# Altium PCB PilotPi_Power.PcbDoc
Units mm, origin at the board's own origin, x right, y up, seen from the top; angles counter-clockwise.
Board outline 80.64 x 56.26 mm, 2 copper layers (Top Layer, Bottom Layer); 44 components, 42 nets, 191 pads, 17 vias.
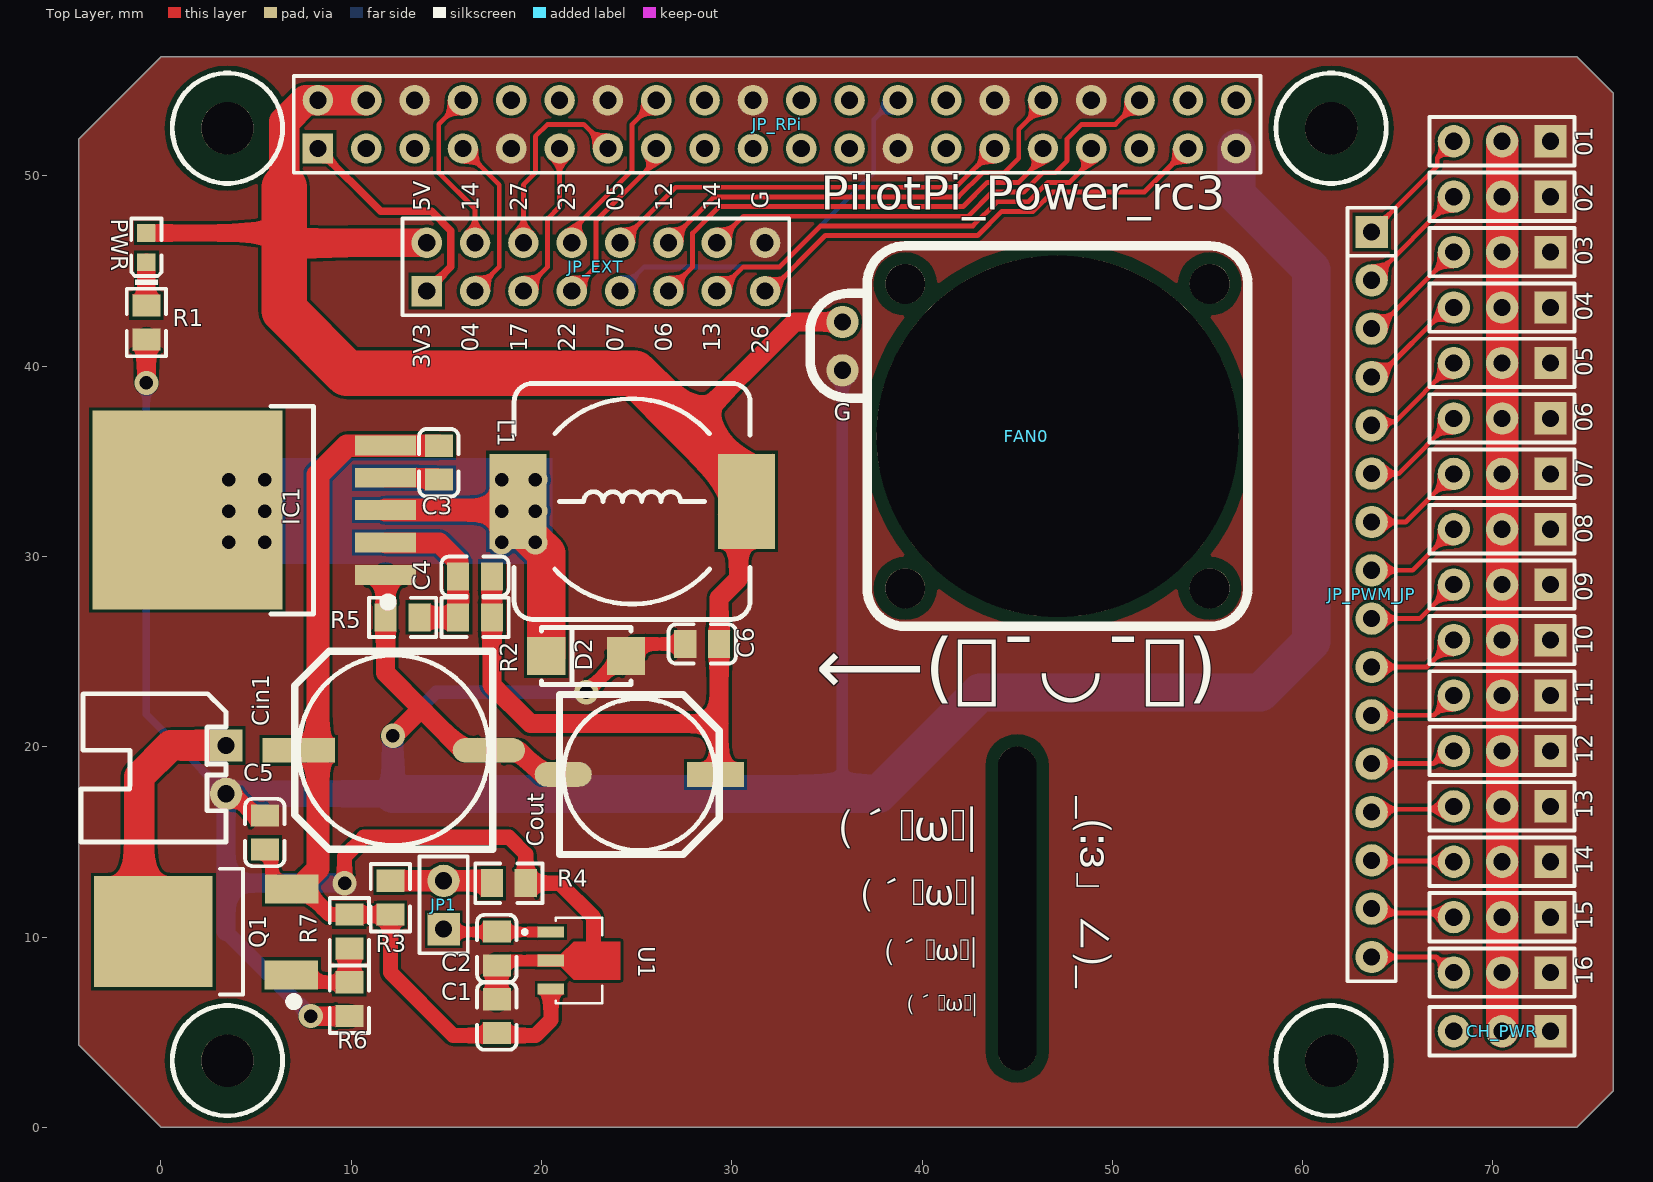
[diagram p0: Top Layer view]
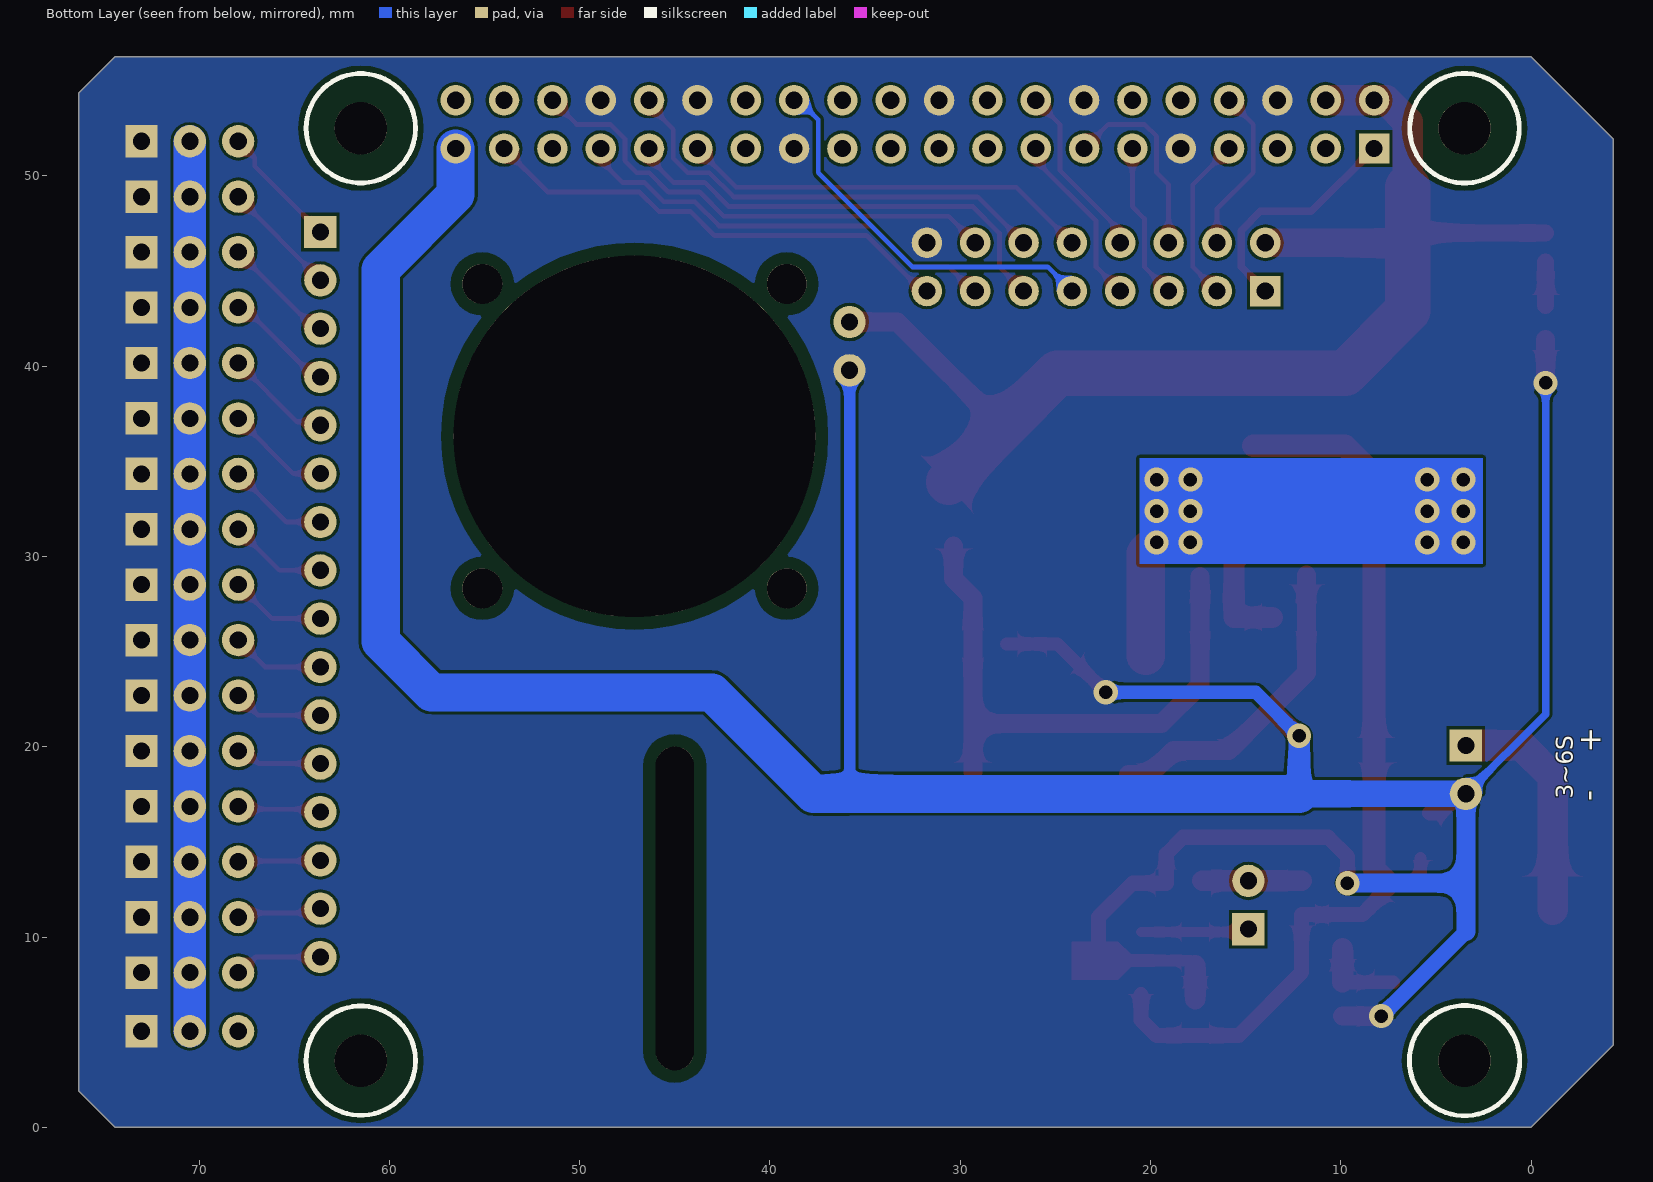
[diagram p1: Bottom Layer view, seen from below]

## Layer stack, top to bottom
Top Solder: solder mask 0.0102, Solder Resist, Dk 3.5
Top Layer: signal copper 0.0356
Dielectric 1: dielectric 0.32, FR-4, Dk 4.8
Bottom Layer: signal copper 0.0356
Bottom Solder: solder mask 0.0102, Solder Resist, Dk 3.5

## Board outline
0,0 74.422,0 76.327,1.905 76.327,54.356 74.422,56.261 0,56.261 -4.318,51.943 -4.318,4.318

## Design rules (kind name [scope] priority, off if disabled: settings)
Clearance [All] p1: gap=0.152 ignorepadtopadclearanceinfootprint=FALSE except(0: Arc-Hole Track-Hole SMDPad-Hole THPad-Hole Via-Hole Fill-Hole Poly-Hole Region-Hole Text-Hole)
DiffPairsRouting [All] p1: maxlimit=0.254 minlimit=0.152 mostfreqgap=0.254 toplayer_minwidth=0.152 toplayer_maxwidth=20 toplayer_prefwidth=0.381 bottomlayer_minwidth=0.152 bottomlayer_maxwidth=20 bottomlayer_prefwidth=0.381 maxuncoupledlength=12.7
HoleSize [All] p1: absolutevalues=TRUE maxlimit=300 minlimit=0.152 maxpercent=80.000 minpercent=20.000
MinimumSolderMaskSliver [All] p1: minsoldermaskwidth=0.152
PlaneConnect [All] p1: planeconnectstyle=Direct reliefexpansion=0.508 reliefentries=4 reliefconductorwidth=0.254 reliefairgap=0.254
PolygonConnect [All] p1: connectstyle=Direct reliefconductorwidth=0.254 reliefentries=4 polygonreliefangle="90 Angle" airgapwidth=0.254
RoutingTopology [All] p1: topology=Daisy_Simple
RoutingVias [All] p1: holewidth=0.711 width=1.27 viastyle="Through Hole" minholewidth=0.3 minwidth=0.6 maxholewidth=150 maxwidth=300
SilkToSilkClearance [All] p1: silktosilkclearance=0
SilkToSolderMaskClearance [IsPad] p1: minsilkscreentomaskgap=0 clearancetoexposedcopper=TRUE
SolderMaskExpansion [All] p1: expansion=0.102
UnRoutedNet [All] p1: checkbadconnections=TRUE
Width [All] p1: maxlimit=20 minlimit=0.152 preferedwidth=0.254
22 further rules are at their usual default settings.

## Classes and differential pairs
net class PWM[15..0]: PWM0 PWM1 PWM2 PWM3 PWM4 PWM5 PWM6 PWM7 PWM8 PWM9 PWM10 PWM11 PWM12 PWM13 PWM14 PWM15
component class XL4015: C3 C4 C5 C6 Cin1 Cout D2 IC1 L1 R2 R5
component class Voltage_Divider: R3 R4
component class AirPi2_Power: CH_PWR JP1 JP_EXT JP_PWM_JP JP_RPi Q1 R1 R6 R7
component class 78l06: C1 C2 U1

## Components (designator, comment, footprint, x,y, rotation, side; value= is the part's Value field where it differs from the comment)
01 "HDR-1X3" HDR2.54-LI-3P 70.485,51.816 r180 top (schematic designator CH1)
02 "HDR-1X3" HDR2.54-LI-3P 70.485,48.903 r180 top (schematic designator CH2)
03 "HDR-1X3" HDR2.54-LI-3P 70.485,45.991 r180 top (schematic designator CH3)
04 "HDR-1X3" HDR2.54-LI-3P 70.485,43.078 r180 top (schematic designator CH4)
05 "HDR-1X3" HDR2.54-LI-3P 70.485,40.166 r180 top (schematic designator CH5)
06 "HDR-1X3" HDR2.54-LI-3P 70.485,37.253 r180 top (schematic designator CH6)
07 "HDR-1X3" HDR2.54-LI-3P 70.485,34.341 r180 top (schematic designator CH7)
08 "HDR-1X3" HDR2.54-LI-3P 70.485,31.428 r180 top (schematic designator CH8)
09 "HDR-1X3" HDR2.54-LI-3P 70.485,28.516 r180 top (schematic designator CH9)
10 "HDR-1X3" HDR2.54-LI-3P 70.485,25.603 r180 top (schematic designator CH10)
11 "HDR-1X3" HDR2.54-LI-3P 70.485,22.691 r180 top (schematic designator CH11)
12 "HDR-1X3" HDR2.54-LI-3P 70.485,19.778 r180 top (schematic designator CH12)
13 "HDR-1X3" HDR2.54-LI-3P 70.485,16.866 r180 top (schematic designator CH13)
14 "HDR-1X3" HDR2.54-LI-3P 70.485,13.953 r180 top (schematic designator CH14)
15 "HDR-1X3" HDR2.54-LI-3P 70.485,11.041 r180 top (schematic designator CH15)
16 "HDR-1X3" HDR2.54-LI-3P 70.485,8.128 r180 top (schematic designator CH16)
C1 "330nF (334) 10% 50V" 0805_C 17.653,5.841 r270 top locked
C2 "100nF(104) 10% 50V" 0805_C 17.653,9.398 r90 top locked
C3 "1uF (105) 10% 50V" 0805_C 14.605,34.925 r90 top locked
C4 "33nF (333) 10% 50V" 0805_C 16.509,28.956 r0 top locked
C5 "1uF (105) 10% 50V" 0805_C 5.461,15.493 r270 top locked
C6 "1uF (105) 10% 50V" 0805_C 28.448,25.4 r0 top
CH_PWR "HDR-1X3" HDR2.54-LI-3P 70.485,5.046 r180 top
Cin1 "220uF/50V" "CM F(10*10.2)" 12.239,19.812 r180 top locked
Cout "470uF/16V" "CM E(8*10.2)" 25.146,18.542 r0 top locked
D1 "红灯 0603" 0603_LED_S1 -0.762,46.228 r90 top
D2 "SS54" SMA(DO-214AC)_S1 22.352,24.765 r0 top
FAN0 "20mm_5V_风扇" 20mmFAN 39.118,28.321 r0 top locked
IC1 "XL4015" TO263-5A 11.811,32.434 r90 top locked
JP1 "HDR-1X2" HDR2.54-M-LI-2P 14.859,11.684 r90 top locked
JP_BATT "HDR-1X2" XH2.54-WI-2P 3.429,18.796 r270 top locked
JP_EXT "Header 8X2" HDR2.54-LI-2x8P 22.86,45.212 r0 top
JP_PWM_JP "HDR-1X16" HDR2.54-M-LI-16P 63.627,28 r270 top locked
JP_RPi "Header 2X11" HDR2.54-LI-2x20P 32.385,52.705 r0 top locked
L1 "47uH" CDRH127 24.765,32.893 r0 top locked
Q1 "D15P05" TO252 3.81,10.287 r90 top locked
R1 "1KΩ (1001) ±1%" 0805_R -0.762,42.292 r90 top
R2 "10KΩ (1002) ±1%" 0805_R 16.51,26.797 r0 top locked
R3 "4.7KΩ (4701) ±1%" 0805_R 12.065,12.065 r270 top locked
R4 "1KΩ (1001) ±1%" 0805_R 18.287,12.827 r180 top locked
R5 "3.3KΩ (3301) ±1%" 0805_R 12.701,26.797 r0 top locked
R6 "20KΩ (2002) ±1%" 0805_R 9.906,6.731 r270 top locked
R7 "10KΩ (1002) ±1%" 0805_R 9.906,10.287 r90 top locked
U1 "L78L06ACUTR" VREG_L78L12ABUTR 21.971,8.763 r0 top locked (schematic designator U)

## Footprints (in the part's own frame and the unit in brackets; to place one, negate y for a bottom-side part, rotate by r counter-clockwise, add the part's x,y. Pads: shape width x height; smd on the part's side, far side on the other; paste and mask are expansions set on the pad)
20mmFAN [mm] "20mm_5V_风扇"
  round 1.7 hole 0.9: 6(-3.3,11.46) 7(-3.3,14)
  round 2.1 hole 2.1: 8(0,0) 9(0,16) 10(16,16) 11(16,0)
  round 19 hole 19: 12(8,8)
  silkscreen extent -5,-2 18,18
0603_LED_S1 [mm]
  rect 0.93x0.98 smd: A(0.77,0) K(-0.77,0)
  silkscreen extent -1.98,-0.79 1.54,0.79, body extent -0.8,-0.4 0.8,0.4, height 0.6
0805_C [mm]
  rect 1.16x1.47 smd: 1(-0.89,0) 2(0.89,0)
  silkscreen extent -1.77,-1.04 1.77,1.04, body extent -1,-0.62 1,0.63, height 0.77
0805_R [mm]
  rect 1.16x1.47 smd: 1(-0.89,0) 2(0.89,0)
  silkscreen extent -1.77,-1.04 1.77,1.03, body extent -1,-0.62 1,0.63, height 0.49
CDRH127 [mm] "12*12*8mm（长宽高）"
  rect 3x5 smd: 1(-6,0) 2(6,0)
  silkscreen extent -6.2,-6.2 6.2,6.2, body extent -6,-6 6,6, height 7.8
"CM E(8*10.2)" [mm] "贴片电解电容，直径8mm，高10.2mm"
  rect 3x1.3 smd: 1(4,0)
  oval 3x1.3 smd: 2(-4,0)
  silkscreen extent -4.2,-4.2 4.2,4.2, body extent -4.5,-4.15 4.5,4.15, height 10.2
"CM F(10*10.2)" [mm] "贴片电解电容，直径10mm，高10.2mm"
  rect 3.8x1.3 smd: 1(5,0)
  oval 3.8x1.3 smd: 2(-5,0)
  silkscreen extent -5.2,-5.2 5.2,5.2, body extent -5.8,-5.15 5.8,5.15, height 10.2
HDR2.54-LI-2x8P [mm] "双排排针，8x2脚"
  rect 1.6x1.6 hole 0.9: 1(-8.89,-1.27)
  round 1.6 hole 0.9: 2(-8.89,1.27) 3(-6.35,-1.27) 4(-6.35,1.27) 5(-3.81,-1.27) 6(-3.81,1.27) 7(-1.27,-1.27) 8(-1.27,1.27) 9(1.27,-1.27) 10(1.27,1.27) 11(3.81,-1.27) 12(3.81,1.27) 13(6.35,-1.27) 14(6.35,1.27) 15(8.89,-1.27) 16(8.89,1.27)
  silkscreen extent -10.16,-2.54 10.16,2.54, body extent -10.16,-2.54 10.16,2.54, height 8.5
HDR2.54-LI-2x20P [mm] "双排排针，20x2脚"
  rect 1.6x1.6 hole 0.9: 1(-24.13,-1.27)
  round 1.6 hole 0.9: 2(-24.13,1.27) 3(-21.59,-1.27) 4(-21.59,1.27) 5(-19.05,-1.27) 6(-19.05,1.27) 7(-16.51,-1.27) 8(-16.51,1.27) 9(-13.97,-1.27) 10(-13.97,1.27) 11(-11.43,-1.27) 12(-11.43,1.27) 13(-8.89,-1.27) 14(-8.89,1.27) 15(-6.35,-1.27) 16(-6.35,1.27) 17(-3.81,-1.27) 18(-3.81,1.27) 19(-1.27,-1.27) 20(-1.27,1.27) 21(1.27,-1.27) 22(1.27,1.27) 23(3.81,-1.27) 24(3.81,1.27) 25(6.35,-1.27) 26(6.35,1.27) 27(8.89,-1.27) 28(8.89,1.27) 29(11.43,-1.27) 30(11.43,1.27) 31(13.97,-1.27) 32(13.97,1.27) 33(16.51,-1.27) 34(16.51,1.27) 35(19.05,-1.27) 36(19.05,1.27) 37(21.59,-1.27) 38(21.59,1.27) 39(24.13,-1.27) 40(24.13,1.27)
  silkscreen extent -25.4,-2.54 25.4,2.54, body extent -25.4,-2.54 25.4,2.54, height 8.5
HDR2.54-LI-3P [mm] "排针，3脚"
  rect 1.7x1.7 hole 0.9: 1(-2.54,0)
  round 1.7 hole 0.9: 2(0,0) 3(2.54,0)
  silkscreen extent -3.81,-1.27 3.81,1.27, body extent -3.81,-1.27 3.81,1.27, height 8.5
HDR2.54-M-LI-2P [mm] "排母，2脚"
  rect 1.7x1.7 hole 0.9: 1(-1.27,0)
  round 1.7 hole 0.9: 2(1.27,0)
  silkscreen extent -2.54,-1.27 2.54,1.27, body extent -2.54,-1.27 2.54,1.27, height 8.5
HDR2.54-M-LI-16P [mm] "排母，16脚"
  rect 1.7x1.7 hole 0.9: 1(-19.05,0)
  round 1.7 hole 0.9: 2(-16.51,0) 3(-13.97,0) 4(-11.43,0) 5(-8.89,0) 6(-6.35,0) 7(-3.81,0) 8(-1.27,0) 9(1.27,0) 10(3.81,0) 11(6.35,0) 12(8.89,0) 13(11.43,0) 14(13.97,0) 15(16.51,0) 16(19.05,0)
  silkscreen extent -20.32,-1.27 20.32,1.27, body extent -20.32,-1.27 20.32,1.27, height 8.5
SMA(DO-214AC)_S1 [mm]
  rect 2x2 smd: 1(2.1,0) 2(-2.1,0)
  silkscreen extent -2.35,-1.5 2.35,1.5
TO252 [mil] "252晶体管"
  rect 60x110 smd: 1(-89.55,-119.77) 3(88.45,-120.77)
  rect 230x245 smd: 2(0,165.35)
  silkscreen extent -153,-133 130,28, body extent -128,-120 128,251, height 91
TO263-5A [mm] "263，5脚晶体管"
  rect 1.05x3.2 smd: 1(-3.4,0) 2(-1.7,0) 3(0,0) 4(1.7,0) 5(3.4,0)
  rect 10.45x10 smd: 3(0,10.414)
  silkscreen extent -5.46,-0.33 5.46,6.04, body extent -5,-0.01 5,13.32, height 4.5
VREG_L78L12ABUTR [mm]
  rect 1.4x0.57 smd: 1(-1.475,1.5) 3(-1.475,-1.5)
  rect 1.4x0.65 smd paste-2 mask+0: 2(-1.475,0)
  Top Layer region: 2.175,-1 -0.275,-1 -0.95,-0.325 -2.175,-0.325 -2.175,0.325 -0.95,0.325 -0.275,1 2.175,1
  silkscreen extent -2.95,-2.25 1.22,2.25
XH2.54-WI-2P [mm] "接插件，2P"
  rect 1.7x1.7 hole 0.9: 1(-1.27,0)
  round 1.7 hole 0.9: 2(1.27,0)
  silkscreen extent -3.99,-7.62 3.81,0, body extent -3.77,-7.35 3.77,0.35, height 5.73

## Part data
01 02 03 04 05 06 07 08 09 10 11 12 13 14 15 16 CH_PWR: library part "Header 3", "3P接插件"
C1: library part "0805 330nF (334) 10% 50V", "贴片电容", Package=0805, SuppliersPartNumber=C1740, ComponentLink1Description=供?, ComponentLink1URL=http://www.szlcsc.com/product/details_2092.html, Supplier=LC
C2: library part "0805 100nF(104) 10% 50V", "贴片电容", Package=0805, SuppliersPartNumber=C49678, ComponentLink1Description=供?, ComponentLink1URL=http://www.szlcsc.com/product/details_50686.html, Supplier=LC
C3 C5 C6: library part "0805 1uF (105) 10% 50V", "贴片电容", Package=0805, SuppliersPartNumber=C28323, ComponentLink1Description=供?, ComponentLink1URL=http://www.szlcsc.com/product/details_29074.html, Supplier=LC
C4: library part "0805 33nF (333) 10% 50V", "贴片电容", Package=0805, SuppliersPartNumber=C1739, ComponentLink1Description=供?, ComponentLink1URL=http://www.szlcsc.com/product/details_2091.html, Supplier=LC
Cin1 Cout: library part C-CM, "贴片电解电容"
D1: library part "0603 红灯", "发光二极管", Package=0603, SuppliersPartNumber=C2286, ComponentLink1Description=供?, ComponentLink1URL=http://www.szlcsc.com/product/details_2659.html, Supplier=LC
D2: library part "SMA(DO-214AC) SS54", "二极管", Package=SMA(DO-214AC), SuppliersPartNumber=C22452, ComponentLink1Description=供?, ComponentLink1URL=http://www.szlcsc.com/product/details_23178.html, Supplier=LC
FAN0: library part 20mmFAN
IC1: "DC降压芯片"
JP1 JP_BATT: library part "Header 2", "2P接插件"
JP_EXT: "8*2P接插件"
JP_PWM_JP: library part "Header 16", "16P接插件"
JP_RPi: library part "Header 20X2", "20*2P接插件"
L1: library part L-CDRH, "功率屏蔽电感"
Q1: "P沟道 50V/15A"
R1 R4: library part "0805 1KΩ (1001) 1%", "贴片电阻", Package=0805, SuppliersPartNumber=C17513, ComponentLink1Description=供?, ComponentLink1URL=http://www.szlcsc.com/product/details_18201.html, Supplier=LC
R2 R7: library part "0805 10KΩ (1002) 1%", "贴片电阻", Package=0805, SuppliersPartNumber=C17414, ComponentLink1Description=供?, ComponentLink1URL=http://www.szlcsc.com/product/details_18102.html, Supplier=LC
R3: library part "0805 4.7KΩ (4701) 1%", "贴片电阻", Package=0805, SuppliersPartNumber=C17673, ComponentLink1Description=供?, ComponentLink1URL=http://www.szlcsc.com/product/details_18361.html, Supplier=LC
R5: library part "0805 3.3KΩ (3301) 1%", "贴片电阻", Package=0805, SuppliersPartNumber=C26010, ComponentLink1Description=供?, ComponentLink1URL=http://www.szlcsc.com/product/details_26753.html, Supplier=LC
R6: library part "0805 20KΩ (2002) 1%", "贴片电阻", Package=0805, SuppliersPartNumber=C4328, ComponentLink1Description=供?, ComponentLink1URL=http://www.szlcsc.com/product/details_4735.html, Supplier=LC
U1: "Linear Voltage Regulator IC 1 Output 100mA SOT-89-3", Package="SOT-89-3 STMicroelectronics", Availability=Unavailable, DigiKey-Purchase-URL=https://snapeda.com/shop?store=DigiKey&id=1221968, MF=STMicroelectronics, MP=L78L06ACUTR, Price=None, SnapEDA_Link=https://www.snapeda.com/parts/L78L06ACUTR/STMicroelectronics/view-part/1221968/?ref=snap

## Free pads (board coordinates)
  oval 2x17 hole 2 slot 17 at 90 deg: 4(45,11.5)
  round 2.75 on Top Paste: 5(3.468,3.556) 5(3.468,52.556) 5(61.468,3.556) 5(61.468,52.556)
  round 2.75 hole 2.75: FH0(3.5,52.5) FH1(61.5,52.5) FH2(61.5,3.5) FH3(3.5,3.5)

## Via types
v1: diameter 1.27, hole 0.711, Top Layer to Bottom Layer, 17 vias

## Nets (pads, with @x,y where several pads share a name; then routed paths per layer and width w, separated by ;. In a path a pad name is that pad's centre, name@x,y a point inside that pad or via, vN(x,y) a via of type N, cw(c..) or ccw(c..) an arc to the next point about the centre after c; other vN are vias at no path point)
3V3: JP_EXT.1 JP_RPi.1 | length 12.5
  Top Layer w0.4: JP_RPi.1 11.557,48.133 14.224,48.133 15.24,47.117 15.24,45.212 JP_EXT.1
5V: C4.2 C6.2 Cout.1 D1.A FAN0.7 JP_EXT.2 JP_RPi.2 JP_RPi.4 L1.2 R2.2 | length 98.5
  Top Layer w0.9: D1.A 6.477,46.998
  Top Layer w1: C4.2 17.399,23.241 19.431,21.209 29.337,21.209 ; 27.749,36.766 33.304,42.321 FAN0.7 ; Cout.1@29.337,18.669 29.337,21.209 ; L1.2@30.353,30.559 30.353,28.829 29.337,27.813 29.337,21.209
  Top Layer w1.5: 6.477,46.482 JP_EXT.2
  Top Layer w1.6: 6.477,49.403 6.477,52.832 7.62,53.975 JP_RPi.2 JP_RPi.4
  Top Layer w2.4: 6.477,49.403 6.477,46.998 6.477,46.482 6.477,42.926 9.779,39.624 24.892,39.624 27.749,36.766 L1.2@30.607,33.909
BCM4: JP_EXT.3 JP_RPi.7 | length 8.8
  Top Layer w0.254: JP_RPi.7 17.78,49.53 17.78,45.212 JP_EXT.3
BCM5: JP_EXT.10 JP_RPi.29 | length 21.7
  Top Layer w0.254: JP_EXT.10 27.051,49.403 41.783,49.403 JP_RPi.29
BCM6: JP_EXT.11 JP_RPi.31 | length 24.1
  Top Layer w0.254: JP_EXT.11 27.94,45.212 27.94,46.99 29.337,48.387 42.164,48.387 43.434,49.657 45.085,49.657 46.355,50.927 JP_RPi.31
BCM7: JP_EXT.9 JP_RPi.26 | length 20.4
  Bottom Layer w0.254: JP_EXT.9 25.4,45.212 32.512,45.212 37.463,50.163 37.463,52.957 38.313,53.807 38.567,53.807 JP_RPi.26
BCM12: JP_EXT.12 JP_RPi.32 | length 23.8
  Top Layer w0.254: JP_EXT.12 29.083,48.895 41.91,48.895 43.18,50.165 44.323,50.165 45.085,50.927 45.085,52.451 46.355,53.721 JP_RPi.32
BCM13: JP_EXT.13 JP_RPi.33 | length 23.2
  Top Layer w0.254: JP_EXT.13 29.337,43.942 30.607,45.212 32.512,45.212 34.671,47.371 42.672,47.371 43.942,48.641 45.593,48.641 46.609,49.657 47.752,49.657 48.895,50.8 JP_RPi.33
BCM14: JP_EXT.4 JP_RPi.8 | length 8.8
  Top Layer w0.254: JP_RPi.8 14.605,52.705 14.605,50.165 16.51,48.26 JP_EXT.4
BCM16: JP_EXT.14 JP_RPi.36 | length 26
  Top Layer w0.254: JP_EXT.14 30.607,47.879 42.418,47.879 43.688,49.149 45.339,49.149 46.355,50.165 46.99,50.165 47.625,50.8 47.625,51.943 48.387,52.705 50.165,52.705 JP_RPi.36
BCM17: JP_EXT.5 JP_RPi.11 | length 8.3
  Top Layer w0.254: JP_EXT.5 20.32,45.212 20.32,47.752 20.955,48.387 JP_RPi.11
BCM22: JP_EXT.7 JP_RPi.15 | length 9.3
  Top Layer w0.254: JP_EXT.7 22.86,45.212 22.86,47.625 26.035,50.8 JP_RPi.15
BCM23: JP_EXT.8 JP_RPi.16 | length 9.3
  Top Layer w0.254: JP_EXT.8 21.59,47.117 24.765,50.292 24.765,52.705 JP_RPi.16
BCM26: JP_EXT.15 JP_RPi.37 | length 25.3
  Top Layer w0.254: JP_EXT.15 32.004,43.942 34.925,46.863 42.926,46.863 44.196,48.133 45.847,48.133 46.863,49.149 51.689,49.149 JP_RPi.37
BCM27: JP_EXT.6 JP_RPi.13 | length 10.5
  Top Layer w0.254: JP_EXT.6 19.05,49.53 19.685,50.165 19.685,52.07 20.32,52.705 22.225,52.705 JP_RPi.13
GND: 01.1 02.1 03.1 04.1 05.1 06.1 07.1 08.1 09.1 10.1 11.1 12.1 13.1 14.1 15.1 16.1 C1.1 C2.1 C5.1 C6.1 CH_PWR.1 Cin1.2 Cout.2 D2.1 FAN0.6 IC1.1 JP_BATT.2 JP_EXT.16 JP_RPi.6 JP_RPi.9 JP_RPi.14 JP_RPi.20 JP_RPi.25 JP_RPi.30 JP_RPi.34 JP_RPi.39 R1.1 R4.1 R5.1 R6.2 U1.2 | length 223.8
  Top Layer w0.254: C5.1@5.188,16.656 5.334,16.51 C5.1 ; R6.2 R6.2 ; JP_RPi.39 JP_RPi.39@56.583,51.367
  Top Layer w0.6: C2.1@17.908,8.763 U1.2
  Top Layer w0.7: v1(22.352,22.86) 24.892,25.4 C6.1
  Top Layer w0.8: JP_BATT.2 3.81,17.526 4.826,16.51 C5.1@5.334,16.51 ; v1(9.652,12.827) 9.652,14.224 10.668,15.24 18.288,15.24 19.177,14.351 R4.1 20.955,12.827 22.733,11.049 22.733,8.763
  Top Layer w1: v1(-0.762,39.116) R1.1 ; v1(7.874,5.842) R6.2 ; IC1.1 R5.1 11.811,23.876 13.843,21.844 ; v1(12.192,20.574) 12.265,20.574 13.535,21.844 13.843,21.844 ; Cout.2 20.066,18.542 18.796,19.812 Cin1.2 15.875,19.812 13.843,21.844
  Top Layer w1.1: C1.1 C2.1
  Bottom Layer w0.4: v1(-0.762,39.116) -0.762,21.717 JP_BATT.2
  Bottom Layer w0.6: 35.814,17.526 35.814,18.796 35.818,18.8 FAN0.6
  Bottom Layer w0.7: v1(12.192,20.574) 14.478,22.86 v1(22.352,22.86)
  Bottom Layer w0.8: 3.429,10.287 v1(7.874,5.842)
  Bottom Layer w1: 3.429,10.287 3.429,12.827 ; JP_BATT.2 3.429,12.827 ; v1(9.652,12.827) 3.429,12.827
  Bottom Layer w1.1: 12.192,17.526 v1(12.192,20.574)
  Bottom Layer w1.4: JP_BATT.2 12.192,17.526
  Bottom Layer w2: 12.192,17.526 35.814,17.526 37.719,17.526 43.053,22.86 57.785,22.86 60.452,25.527 60.452,45.085 56.515,49.022 JP_RPi.39
NetC1_2: C1.2 C3.2 C5.2 Cin1.1 IC1.5 Q1.3 R3.2 R7.2 U1.3 | length 49.4
  Top Layer w0.65: Q1.3@5.815,13.169 C5.2@5.815,14.15
  Top Layer w0.8: Q1.3@7.513,12.534 8.87,11.176 R3.2 ; R3.2 12.065,8.128 15.367,4.826 19.685,4.826 20.496,5.637 U1.3@20.496,6.985
  Top Layer w1.2: Q1.3@7.493,12.827 8.255,13.589 8.255,34.29 9.779,35.814 C3.2
NetC2_2: C2.2 JP1.1 U1.1 | length 5.5
  Top Layer w0.55: JP1.1@15.01,10.263 U1.1
NetC3_1: C3.1 IC1.4 | length 2.8
  Top Layer w0.254: C3.1@14.506,34.134 C3.1
  Top Layer w1: IC1.4 C3.1@14.506,34.134
NetC4_1: C4.1 IC1.2 R2.1 R5.2 | length 9.1
  Top Layer w1.1: IC1.2@11.836,30.709 14.63,30.709 15.619,29.72 C4.1 R2.1@15.619,26.798 ; R5.2 R2.1
NetCH1_2: 01.2 02.2 03.2 04.2 05.2 06.2 07.2 08.2 09.2 10.2 11.2 12.2 13.2 14.2 15.2 16.2 CH_PWR.2 | length 93.5
  Top Layer w1.7: CH_PWR.2 14.2 11.2 10.2 09.2 08.2 07.2 06.2 05.2 04.2 03.2 02.2 01.2
  Bottom Layer w1.7: CH_PWR.2 13.2 11.2 10.2 09.2 08.2 07.2 06.2 05.2 04.2 03.2 02.2 01.2
NetD1_K: D1.K R1.2 | length 2.3
  Top Layer w0.9: R1.2 D1.K
NetD2_2: D2.2 IC1.3 L1.1 | length 14.1
  Top Layer w0.254: L1.1@18.306,32.434 L1.1
  Top Layer w1.2: IC1.3@11.811,32.434 L1.1@18.306,32.434
  Top Layer w2: L1.1@19.177,31.242 v1(19.685,30.734) 20.252,30.167 D2.2
  other v1: 3.556,30.734 5.461,30.734 17.907,30.734 3.556,32.385 5.461,32.385 17.907,32.385 19.685,32.385 3.556,34.036 5.461,34.036 17.907,34.036 19.685,34.036
NetJP1_2: JP1.2 R3.1 R4.2 | length 5.2
  Top Layer w1.1: R3.1 R4.2@17.269,12.955
NetJP_BATT_1: JP_BATT.1 Q1.2 | length 12.2
  Top Layer w1.6: Q1.2@-1.143,11.43 -1.143,18.415 0.508,20.066 JP_BATT.1
NetQ1_1: Q1.1 R6.1 R7.1 | length 4.4
  Top Layer w0.7: Q1.1@7.244,7.621 R6.1
  Top Layer w1.1: R6.1 R7.1
PWM0: 01.3 JP_PWM_JP.1 | length 6.6
  Top Layer w0.254: JP_PWM_JP.1 67.075,50.498 67.075,50.946 01.3
PWM1: 02.3 JP_PWM_JP.2 | length 6.2
  Top Layer w0.254: JP_PWM_JP.2 63.627,44.548 67.945,48.866 02.3
PWM2: 03.3 JP_PWM_JP.3 | length 6
  Top Layer w0.254: JP_PWM_JP.3 63.924,41.97 03.3
PWM3: 04.3 JP_PWM_JP.4 | length 5.8
  Top Layer w0.254: JP_PWM_JP.4 63.962,39.43 67.61,43.078 04.3
PWM4: 05.3 JP_PWM_JP.5 | length 5.7
  Top Layer w0.254: JP_PWM_JP.5 63.816,37.079 64.858,37.079 05.3
PWM5: 06.3 JP_PWM_JP.6 | length 5.5
  Top Layer w0.254: JP_PWM_JP.6 65.042,34.35 06.3
PWM6: 07.3 JP_PWM_JP.7 | length 5.4
  Top Layer w0.254: JP_PWM_JP.7 65.414,31.81 07.3
PWM7: 08.3 JP_PWM_JP.8 | length 5.2
  Top Layer w0.254: JP_PWM_JP.8 65.787,29.27 08.3
PWM8: 09.3 JP_PWM_JP.9 | length 5.1
  Top Layer w0.254: JP_PWM_JP.9 66.159,26.73 09.3
PWM9: 10.3 JP_PWM_JP.10 | length 4.9
  Top Layer w0.254: JP_PWM_JP.10 66.532,24.19 10.3
PWM10: 11.3 JP_PWM_JP.11 | length 4.7
  Top Layer w0.254: JP_PWM_JP.11 66.904,21.65 11.3
PWM11: 12.3 JP_PWM_JP.12 | length 4.6
  Top Layer w0.254: JP_PWM_JP.12 66.886,19.11 67.554,19.778 12.3
PWM12: 13.3 JP_PWM_JP.13 | length 4.4
  Top Layer w0.254: JP_PWM_JP.13 63.775,16.718 67.797,16.718 13.3
PWM13: 14.3 JP_PWM_JP.14 | length 4.3
  Top Layer w0.254: JP_PWM_JP.14 63.665,13.992 67.907,13.992 14.3
PWM14: 15.3 JP_PWM_JP.15 | length 4.5
  Top Layer w0.254: JP_PWM_JP.15 63.852,11.265 67.72,11.265 15.3
PWM15: 16.3 JP_PWM_JP.16 | length 4.7
  Top Layer w0.254: JP_PWM_JP.16 67.026,8.95 67.848,8.128 16.3
pads on no net: CH_PWR.3 FAN0.8 FAN0.9 FAN0.10 FAN0.11 FAN0.12 JP_RPi.3 JP_RPi.5 JP_RPi.10 JP_RPi.12 JP_RPi.17 JP_RPi.18 JP_RPi.19 JP_RPi.21 JP_RPi.22 JP_RPi.23 JP_RPi.24 JP_RPi.27 JP_RPi.28 JP_RPi.35 JP_RPi.38 JP_RPi.40

## Polygon pours and split planes (outlines as drawn)
GND on Top Layer "Top Layer" (solid, pour order 0): 74.422,56.261 76.327,54.356 76.327,1.905 74.422,0 0,0 -4.318,4.318 -4.318,51.943 0,56.261
GND on Bottom Layer "Bottom Layer" (solid, pour order 2): 0,56.261 -4.318,51.943 -4.318,4.318 0,0 74.422,0 76.327,1.905 76.327,54.356 74.422,56.261

## Other copper
Bottom Layer:
  rectangle net NetD2_2: 2.54,29.591 20.574,35.179

## Silkscreen, mask and mechanical layers (free items; w line width, h text height)
Top Overlay:
  circle w0.254: c61.5,3.5 r2.899
  circle w0.254: c3.5,3.5 r2.899
  circle w0.254: c3.5,52.5 r2.899
  circle w0.254: c61.5,52.5 r2.899
  text "G" at 32.258,48.26 h1.52 r90
  text "5V" at 14.478,48.133 h1.52 r90
  text "14" at 17.018,48.133 h1.52 r90
  text "27" at 19.558,48.133 h1.52 r90
  text "23" at 22.098,48.133 h1.52 r90
  text "05" at 24.638,48.133 h1.52 r90
  text "12" at 27.178,48.133 h1.52 r90
  text "14" at 29.718,48.133 h1.52 r90
  text "PWR" at -2.921,47.752 h1.52 r270
  text "PilotPi_Power_rc3" at 34.671,47.625 h3.05
  text "04" at 17.018,40.767 h1.52 r90
  text "17" at 19.558,40.767 h1.52 r90
  text "22" at 22.098,40.767 h1.52 r90
  text "07" at 24.638,40.767 h1.52 r90
  text "06" at 27.178,40.767 h1.52 r90
  text "13" at 29.718,40.767 h1.52 r90
  text "26" at 32.258,40.64 h1.52 r90
  text "3V3" at 14.478,39.878 h1.52 r90
  text "⟵(๑¯◡¯๑)" at 34.417,21.844 h5
  text "_(:з」∠)_" at 47.752,17.399 h3 r270
  text "|･ω･｀)" at 42.926,14.478 h3
  text "|･ω･｀)" at 42.926,11.176 h2.5
  text "|･ω･｀)" at 42.926,8.382 h2
  text "|･ω･｀)" at 42.926,5.842 h1.5
Bottom Overlay:
  circle w0.254: c61.5,52.5 r2.874
  circle w0.254: c61.5,3.5 r2.874
  circle w0.254: c3.5,3.5 r2.899
  circle w0.254: c3.5,52.5 r2.879
  text "+" at -4.064,19.685 h2 r270
  text "3~6S" at -2.54,17.272 h1.52 r270
  text "-" at -3.937,17.145 h2 r270
Bottom Solder:
  lines w1: 70.485,5.046 70.485,51.816 ; 73.025,5.046 73.025,51.816
Mechanical 1:
  lines w0.254: -4.318,5.588 ccw(c-1.143,5.588) -3.388,3.343 -0.975,0.93 ccw(c1.27,3.175) 1.27,0 73.152,0 ccw(c73.152,3.175) 76.327,3.175 76.327,53.086 ccw(c73.152,53.086) 73.152,56.261 1.27,56.261 ccw(c1.27,53.086) -0.975,55.331 -3.388,52.918 ccw(c-1.143,50.673) -4.318,50.673 -4.318,5.588

## Text inside footprints (layer, text, board x,y; h text height)
FAN0: Top Overlay "G" at 35.368,36.821 h1.52